# Altium PCB CDH_PCB_3DBodies.PcbDoc
Units mil, origin at the board's own origin, x right, y up, seen from the top; angles counter-clockwise.
Board outline 4735 x 5995 mil, 4 copper layers (Component Side, Ground Plane, Power Plane, Solder Side), stack 60.8 mil thick; 111 components, 92 nets, 557 pads, 2 vias.
Unrouted connection lines stored in the file: 294.
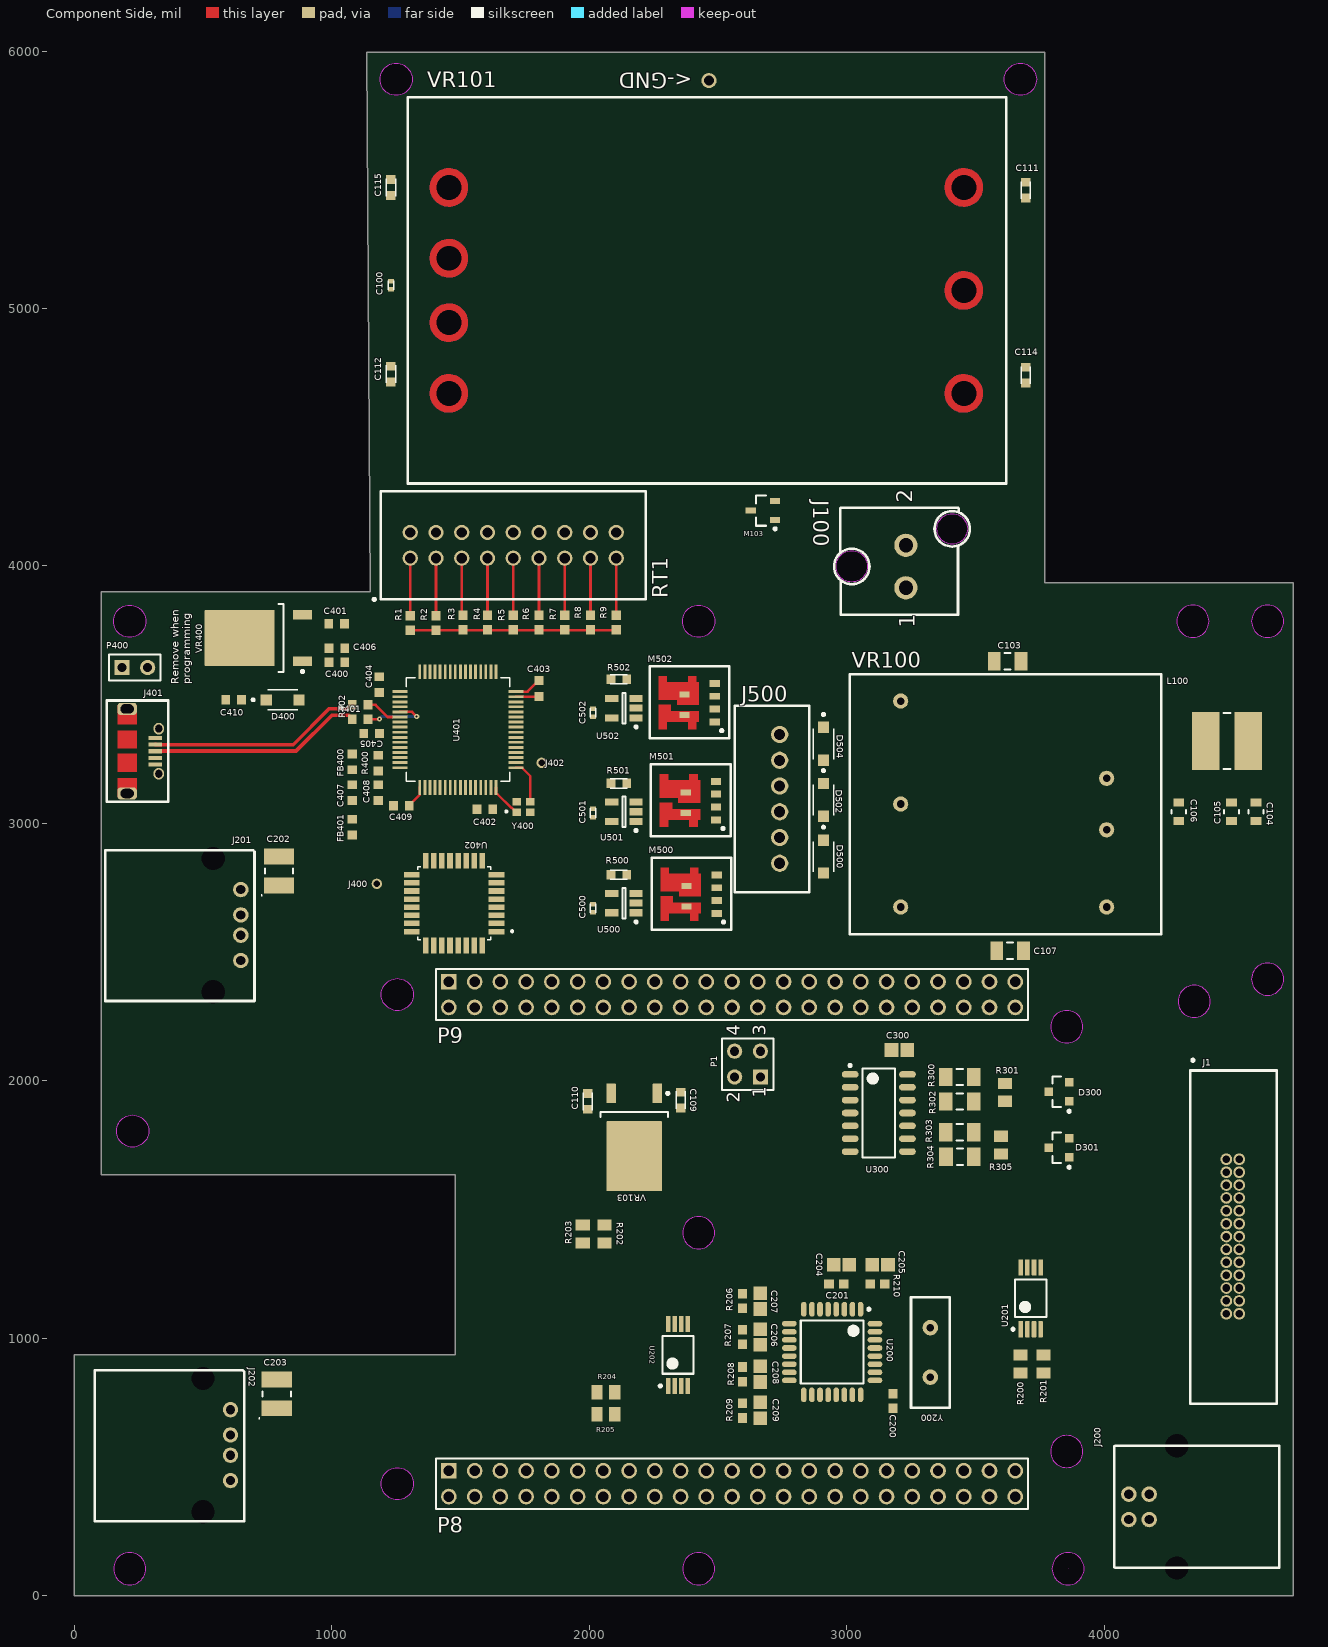
[diagram p0: Component Side view]
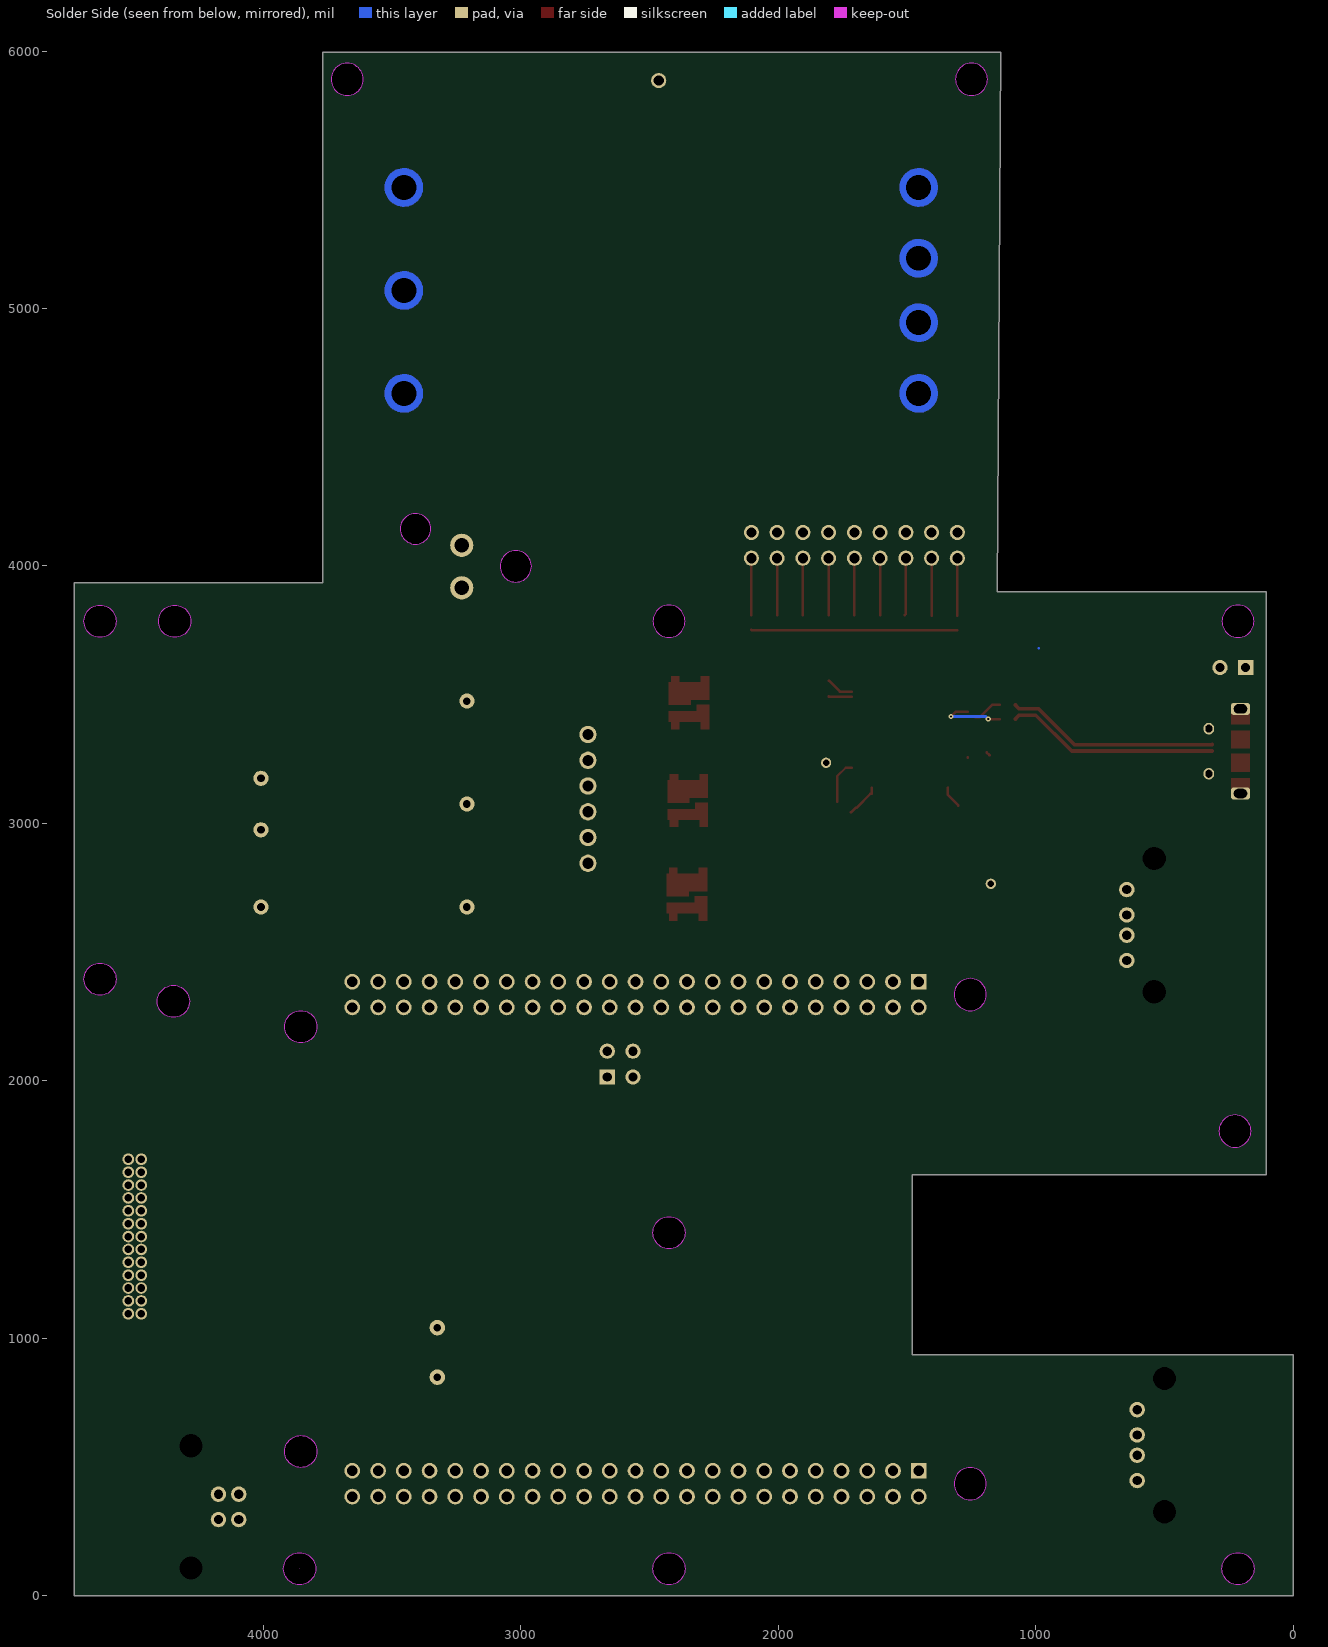
[diagram p1: Solder Side view, seen from below]
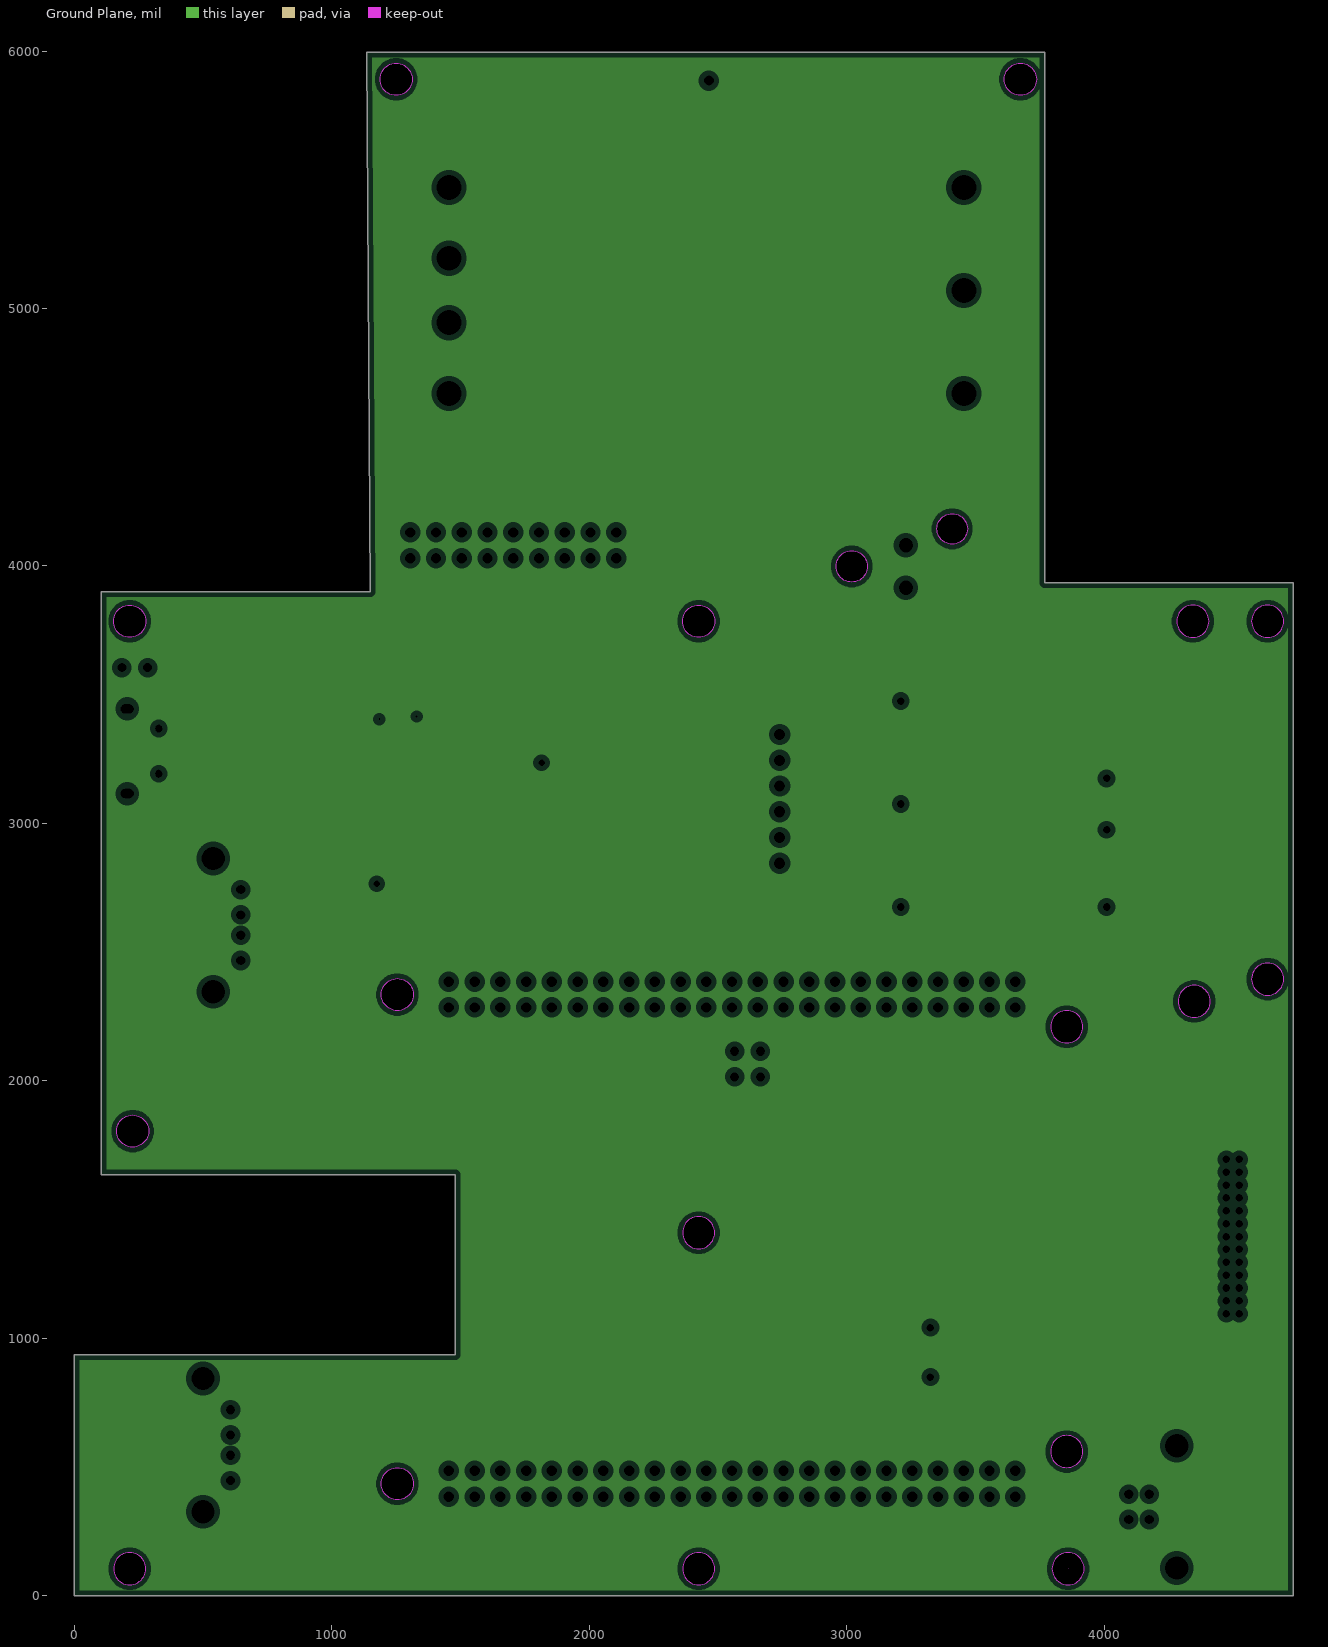
[diagram p2: Ground Plane, clearances drawn from the general rule]
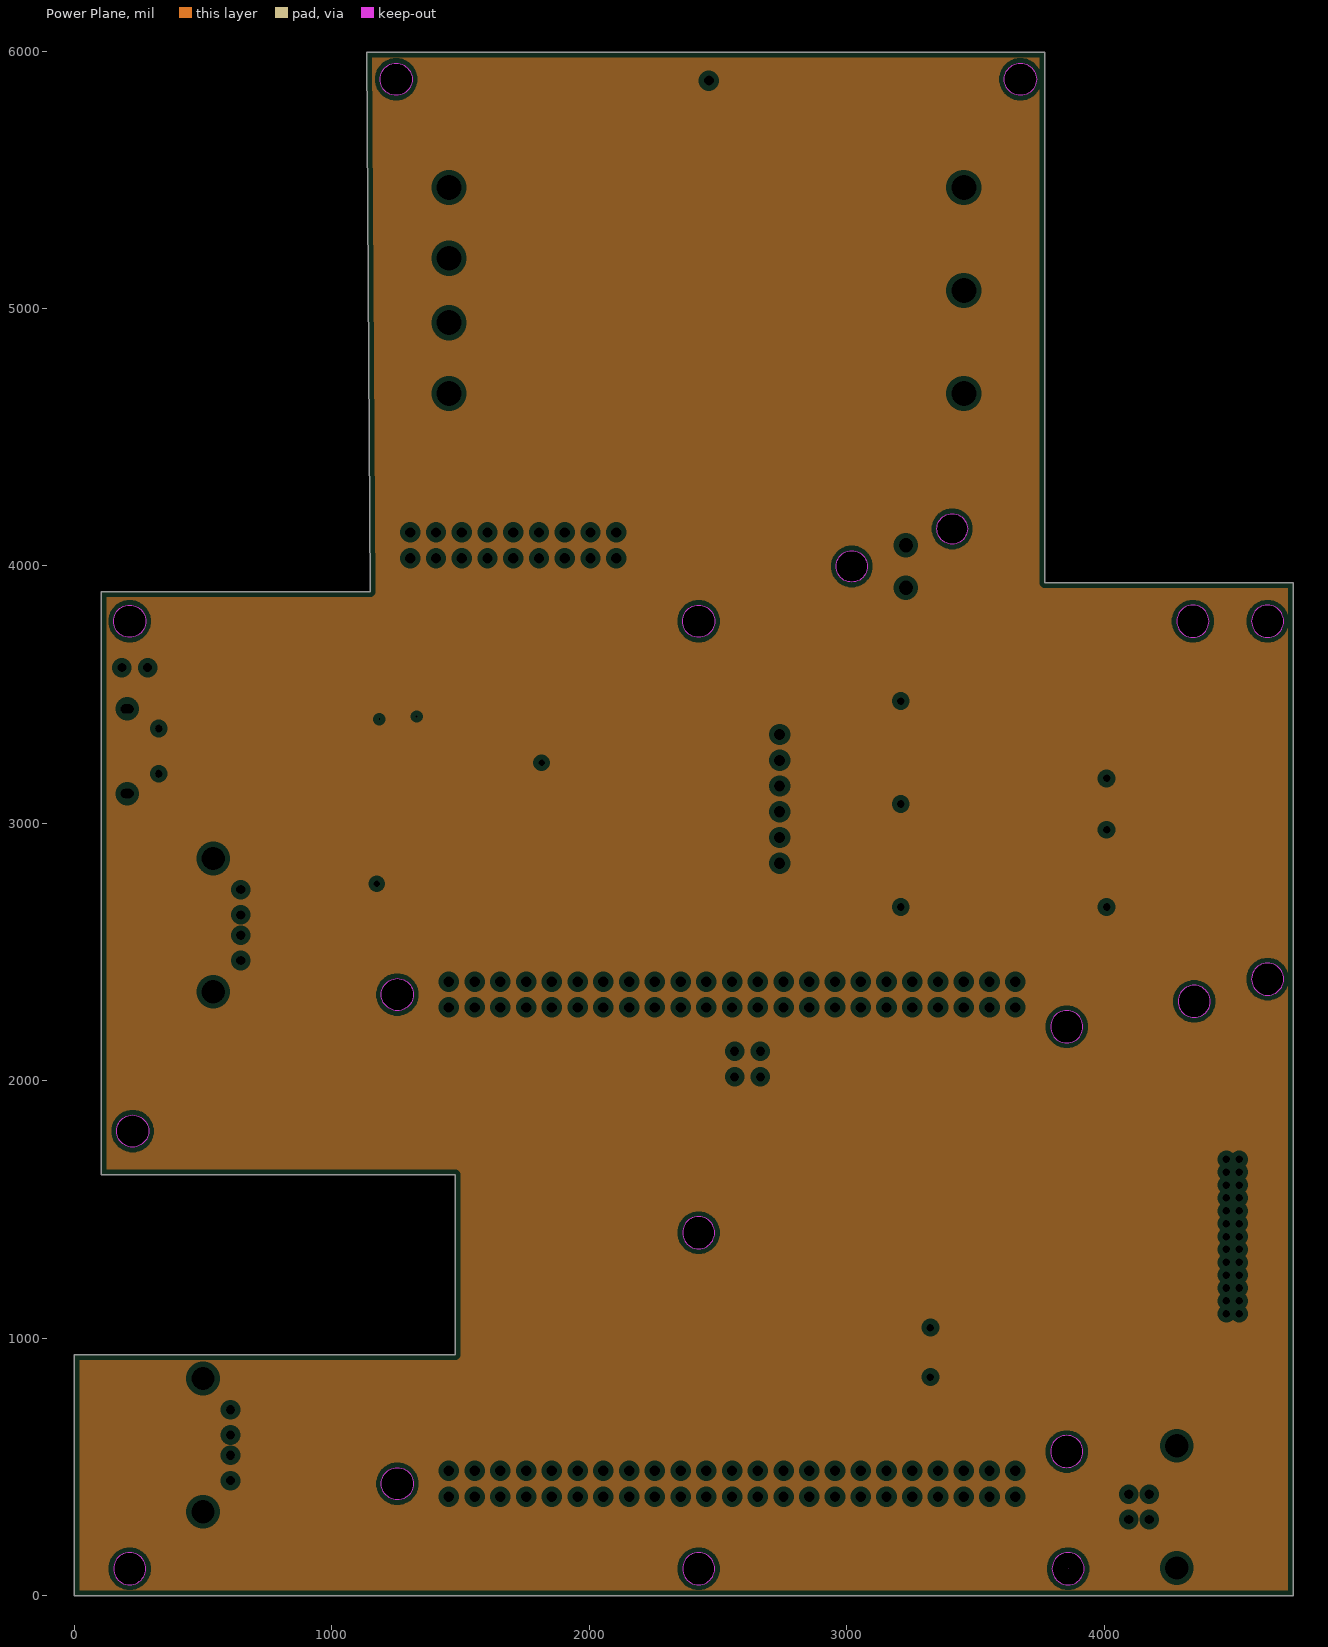
[diagram p3: Power Plane, clearances drawn from the general rule]

## Layer stack, top to bottom
Top Solder: solder mask 0.4, Solder Resist, Dk 3.5
Component Side: signal copper 1.4
Dielectric 1: core 7.6, FR-4, Dk 4.8
Ground Plane: plane copper 1.4
Dielectric 3: prepreg 40, Dk 4.2
Power Plane: plane copper 1.4
Dielectric 4: core 7.6, FR-4, Dk 4.8
Solder Side: signal copper 1.4
Bottom Solder: solder mask 0.4, Solder Resist, Dk 3.5

## Board outline
0,0 0,935 1480,935 1480,1635 105,1635 105,3900 1149.16,3900 1135.55,5995 3770,5995 3770,3935 4735,3935 4735,0
cut-out: 3350.49,4144 cw(c3410,4144) 3410,4203.51 cw(c3410,4144) 3469.51,4144 cw(c3410,4144) 3410,4084.49 cw(c3410,4144)
cut-out: 2959.1,3998 cw(c3020,3998) 3020,4058.9 cw(c3020,3998) 3080.9,3998 cw(c3020,3998) 3020,3937.1 cw(c3020,3998)
cut-out: 3675,5827.5 cw(c3675,5890) 3612.5,5890 cw(c3675,5890) 3675,5952.5 cw(c3675,5890) 3737.5,5890 cw(c3675,5890)
cut-out: 1250,5827.5 cw(c1250,5890) 1187.5,5890 cw(c1250,5890) 1250,5952.5 cw(c1250,5890) 1312.5,5890 cw(c1250,5890)
cut-out: 1255,2272.5 cw(c1255,2335) 1192.5,2335 cw(c1255,2335) 1255,2397.5 cw(c1255,2335) 1317.5,2335 cw(c1255,2335)
cut-out: 4287.5,2308.5 ccw(c4350,2308.5) 4350,2246 ccw(c4350,2308.5) 4412.5,2308.5 ccw(c4350,2308.5) 4350,2371 ccw(c4350,2308.5)
cut-out: 4282.5,3785 ccw(c4345,3785) 4345,3722.5 ccw(c4345,3785) 4407.5,3785 ccw(c4345,3785) 4345,3847.5 ccw(c4345,3785)
cut-out: 3792.5,560 ccw(c3855,560) 3855,497.5 ccw(c3855,560) 3917.5,560 ccw(c3855,560) 3855,622.5 ccw(c3855,560)
cut-out: 3792.5,2210 ccw(c3855,2210) 3855,2147.5 ccw(c3855,2210) 3917.5,2210 ccw(c3855,2210) 3855,2272.5 ccw(c3855,2210)
cut-out: 1192.5,435 cw(c1255,435) 1255,497.5 cw(c1255,435) 1317.5,435 cw(c1255,435) 1255,372.5 cw(c1255,435)
cut-out: 215,3722.5 cw(c215,3785) 152.5,3785 cw(c215,3785) 215,3847.5 cw(c215,3785) 277.5,3785 cw(c215,3785)
cut-out: 226.45,1742.34 cw(c226.45,1804.84) 163.95,1804.84 cw(c226.45,1804.84) 226.45,1867.34 cw(c226.45,1804.84) 288.95,1804.84 cw(c226.45,1804.84)
cut-out: 2362.5,1410 ccw(c2425,1410) 2425,1347.5 ccw(c2425,1410) 2487.5,1410 ccw(c2425,1410) 2425,1472.5 ccw(c2425,1410)
cut-out: 3797.5,105 ccw(c3860,105) 3860,42.5 ccw(c3860,105) 3922.5,105 ccw(c3860,105) 3860,167.5 ccw(c3860,105)
cut-out: 2362.5,105 ccw(c2425,105) 2425,42.5 ccw(c2425,105) 2487.5,105 ccw(c2425,105) 2425,167.5 ccw(c2425,105)
cut-out: 215,3722.5 cw(c215,3785) 152.5,3785 cw(c215,3785) 215,3847.5 cw(c215,3785) 277.5,3785 cw(c215,3785)
cut-out: 2425,3722.5 cw(c2425,3785) 2362.5,3785 cw(c2425,3785) 2425,3847.5 cw(c2425,3785) 2487.5,3785 cw(c2425,3785)
cut-out: 4572.5,3785 ccw(c4635,3785) 4635,3722.5 ccw(c4635,3785) 4697.5,3785 ccw(c4635,3785) 4635,3847.5 ccw(c4635,3785)
cut-out: 4572.5,2395 ccw(c4635,2395) 4635,2332.5 ccw(c4635,2395) 4697.5,2395 ccw(c4635,2395) 4635,2457.5 ccw(c4635,2395)
cut-out: 152.5,105 ccw(c215,105) 215,42.5 ccw(c215,105) 277.5,105 ccw(c215,105) 215,167.5 ccw(c215,105)
cut-out: 4635,2457.5
cut-out: 3860,105

## Design rules (kind name [scope] priority, off if disabled: settings)
Clearance [All] p1: gap=10 ignorepadtopadclearanceinfootprint=FALSE except(0: Arc-Hole Track-Hole SMDPad-Hole THPad-Hole Via-Hole Fill-Hole Poly-Hole Region-Hole Text-Hole; 3: THPad-THPad; 5: Arc-SMDPad Track-SMDPad SMDPad-THPad THPad-Fill THPad-Poly THPad-Region; 7: SMDPad-SMDPad)
DiffPairsRouting [All] p1: maxlimit=10 minlimit=10 mostfreqgap=10 toplayer_minwidth=15 toplayer_maxwidth=15 toplayer_prefwidth=15 bottomlayer_minwidth=15 bottomlayer_maxwidth=15 bottomlayer_prefwidth=15 maxuncoupledlength=500
Height [All] p1: minheight=0 maxheight=1500 prefheight=500
MatchedLengths MatchedLengths_USB_DiffPairs [All] p1: tolerance=5 checknetsindiffpair=TRUE checkdiffpairvsdiffpair=FALSE checkxsignals=FALSE checkothers=FALSE
MaxMinImpedance "Schematic Impedance Constraint_11" [InNet('RS422-Rx_P')] p1: minimum=90.00 maximum=110.0
MaxMinImpedance "Schematic Impedance Constraint_10" [InNet('RS422-Rx_N')] p2: minimum=90.00 maximum=110.0
MaxMinImpedance "Schematic Impedance Constraint_9" [InNet('RS422-Tx_P')] p3: minimum=90.00 maximum=110.0
MaxMinImpedance "Schematic Impedance Constraint_8" [InNet('RS422-Tx_N')] p4: minimum=90.00 maximum=110.0
MaxMinImpedance "Schematic Impedance Constraint_7" [InNet('USB_1_P')] p5: minimum=40.50 maximum=49.50
MaxMinImpedance "Schematic Impedance Constraint_6" [InNet('USB_1_N')] p6: minimum=40.50 maximum=49.50
MaxMinImpedance "Schematic Impedance Constraint_5" [InNet('USB_2_P')] p7: minimum=40.50 maximum=49.50
MaxMinImpedance "Schematic Impedance Constraint_4" [InNet('USB_0_N')] p8: minimum=40.50 maximum=49.50
MaxMinImpedance "Schematic Impedance Constraint_3" [InNet('TEENSY_USB_P')] p9: minimum=40.50 maximum=49.50
MaxMinImpedance "Schematic Impedance Constraint_2" [InNet('TEENSY_USB_N')] p10: minimum=40.50 maximum=49.50
MaxMinImpedance "Schematic Impedance Constraint_1" [InNet('USB_2_N')] p11: minimum=40.50 maximum=49.50
MaxMinImpedance "Schematic Impedance Constraint" [InNet('USB_0_P')] p12: minimum=40.50 maximum=49.50
PlaneClearance [All] p1: clearance=20
PlaneConnect [All] p1: planeconnectstyle=Relief reliefexpansion=20 reliefentries=4 reliefconductorwidth=10 reliefairgap=10
PolygonConnect [All] p1: connectstyle=Relief reliefconductorwidth=10 reliefentries=4 polygonreliefangle="90 Angle" airgapwidth=10
RoutingVias [All] p1: holewidth=8 width=20 viastyle="Through Hole" minholewidth=8 minwidth=20 maxholewidth=8 maxwidth=20
SolderMaskExpansion [All] p1: expansion=4 istentingtop=FALSE
Width [All] p1: maxlimit=10 minlimit=10 preferedwidth=10
26 further rules are at their usual default settings.

## Classes and differential pairs
net class 500_HEATERS_Nets: +5 +28 GND NetD500_2 NetD502_2 NetD504_2 NetM500_3 NetM500_4 NetM501_3 NetM501_4 NetM502_3 NetM502_4 NetR500_1 NetR501_1 NetR502_1 NetU401_46 NetU401_61 NetU401_64 NetU500_1 NetU501_1 NetU502_1
component class 500_HEATERS: C500 C501 C502 D500 D502 D504 J500 M500 M501 M502 R500 R501 R502 U500 U501 U502
net class 400_TEENSY_Nets: +5 GND NetC400_1 NetC407_1 NetC407_2 NetC408_1 NetC409_2 NetC410_1 NetJ1_20 NetJ1_21 NetJ1_22 NetJ1_23 NetJ1_24 NetJ400_1 NetJ401_4 NetJ402_1 NetP9_21 NetP9_22 NetR1_1 NetR2_1 NetR3_1 NetR4_1 NetR5_2 NetR6_1 NetR7_1 NetR8_1 NetR9_1 NetR401_1 NetR402_1 NetU401_22 NetU401_24 NetU401_25 NetU401_32 NetU401_33 NetU401_46 NetU401_61 NetU401_64 TEENSY_USB_N TEENSY_USB_P TN_3V3
net class 300_CDH_RS422_Nets: 3V3 GND NetP1_2 NetP1_4 NetR300_1 NetR302_1 NetR303_1 NetR304_1 RS422-Rx_N RS422-Rx_P RS422-Tx_N RS422-Tx_P
net class 200_CDH_USB_2_Hub_Nets: 3V3 +5 GND NetC204_1 NetC205_1 NetC206_1 NetC207_1 NetC208_2 NetC209_2 NetP9_12 NetU200_29 NetU200_30 USB_0_N USB_0_P USB_1_N USB_1_P USB_2_N USB_2_P
net class 100_POWER_Nets: 3V3 +5 +28 +48 GND GND_BASEPLATE NetC103_1 NetC111_1 NetM103_1 NetM103_3
net class 000_BBB_Pinouts_Nets: +5 +28 GND NetC407_1 NetC407_2 NetJ1_1 NetJ1_4 NetJ1_13 NetJ1_14 NetJ1_15 NetJ1_16 NetJ1_17 NetJ1_20 NetJ1_21 NetJ1_22 NetJ1_23 NetJ1_24 NetM103_1 NetP1_1 NetP1_2 NetP1_3 NetP1_4 NetP9_10 NetP9_12 NetP9_21 NetP9_22 NetR1_1 NetR2_1 NetR3_1 NetR4_1 NetR5_2 NetR6_1 NetR7_1 NetR8_1 NetR9_1 RS422-Rx_N RS422-Rx_P RS422-Tx_N RS422-Tx_P
component class 400_TEENSY: C400 C401 C402 C403 C404 C405 C406 C407 C408 C409 C410 D400 FB400 FB401 J400 J401 J402 P400 R400 R401 R402 U401 U402 VR400 Y400
component class 100_POWER: C100 C103 C104 C105 C106 C107 C109 C110 C111 C112 C114 C115 J100 L100 M103 VR100 VR101 VR103
component class 300_CDH_RS422: * C300 D300 D301 R300 R301 R302 R303 R304 R305 U300
component class 200_CDH_USB_2_Hub: C200 C201 C202 C203 C204 C205 C206 C207 C208 C209 J200 J201 J202 R200 R201 R202 R203 R204 R205 R206 R207 R208 R209 R210 U200 U201 U202 Y200
component class 000_BBB_Pinouts: J1 P1 P8 P9 R1 R2 R3 R4 R5 R6 R7 R8 R9 RT1
differential pair USB_0: +USB_0_P -USB_0_N
differential pair USB_2: +USB_2_P -USB_2_N
differential pair USB_1: +USB_1_P -USB_1_N
differential pair TEENSY_USB: +TEENSY_USB_P -TEENSY_USB_N
differential pair RS422-Tx: +RS422-Tx_P -RS422-Tx_N
differential pair RS422-Rx: +RS422-Rx_P -RS422-Rx_N

## Components (designator, comment, footprint, x,y, rotation, side; value= is the part's Value field where it differs from the comment)
C100 "0805B204K500CT" *INDC0805X55N 1230,5090 r270 top value=0.2uF
C103 "1206GC102KAZ1A" CAPC3317X180X60LL30T20 3625,3630 r180 top
C104 "C2012X5R1H475K125AB" FP-C2012-125-MFG 4590,3045 r270 top value=4.7uF
C105 "C2012X5R1H475K125AB" FP-C2012-125-MFG 4495,3045 r270 top value=4.7uF
C106 "C2012X5R1H475K125AB" FP-C2012-125-MFG 4290,3045 r270 top value=4.7uF
C107 "1206GC102KAZ1A" CAPC3317X180X60LL30T20 3635,2505 r0 top
C109 "TMK107BLD105KA-T" *RESC1608X55N 2355,1925 r90 top value=1uF
C110 "TMK107BLD105KA-T" *RESC1608X55N 1995,1920 r90 top value=1uF
C111 "C0603C472K1HACAUTO" *RESC1608X55N 3695,5459.29 r270 top value=4.7nF
C112 "C0603C472K1HACAUTO" *RESC1608X55N 1230,4745 r90 top value=4.7nF
C114 "C0603C472K1HACAUTO" *RESC1608X55N 3695,4740.71 r270 top value=4.7nF
C115 "" *RESC1608X55N 1230,5470 r270 top value=4.7nF
C200 "C0603C101K8HAUTO" R_Imperial0603 3180,756.46 r90 top value=100pF
C201 "C0603C101K8HAUTO" R_Imperial0603 2960,1210 r180 top value=100pF
C202 "F910J107MBAAJ6" POLAR_CAP_SMD_EIA2010 795,2815 r90 top value=100uF
C203 "F910J107MBAAJ6" POLAR_CAP_SMD_EIA2010 786.46,783.9 r90 top value=100uF
C204 "C0805X220K3GACAUTO" Cap_EIA0805 2980,1285 r180 top value=22pF
C205 "C0805X220K3GACAUTO" Cap_EIA0805 3130,1285 r0 top value=22pF
C206 "C0805X220K3GACAUTO" Cap_EIA0805 2665,1005 r270 top value=22pF
C207 "C0805X220K3GACAUTO" Cap_EIA0805 2665,1144.49 r90 top value=22pF
C208 "C0805X220K3GACAUTO" Cap_EIA0805 2665,860.31 r270 top value=22pF
C209 "C0805X220K3GACAUTO" Cap_EIA0805 2665,720.31 r90 top value=22pF
C300 "GCM219R71C204JA37J" Cap_EIA0805 3204.49,2120 r180 top value=0.2uF
C400 "smtcap_np" *RESC1608X55N 1020,3625 r180 top value=2.2uF
C401 "smtcap_np" *RESC1608X55N 1019.29,3775 r0 top value=2.2uF
C402 "smtcap_np" *RESC1608X55N 1595,3054 r0 top value=2.2uF
C403 "smtcap_np" *RESC1608X55N 1805,3524 r270 top value=0.1uF
C404 "smtcap_np" *RESC1608X55N 1185,3539 r270 top value=0.1uF
C405 "smtcap_np" *RESC1608X55N 1155,3349 r180 top value=0.1uF
C406 "smtcap_np" *RESC1608X55N 1020,3680 r180 top value=2.2uF
C407 "smtcap_np" *RESC1608X55N 1080,3119 r270 top value=2.2uF
C408 "smtcap_np" *RESC1608X55N 1180,3119 r90 top value=0.1uF
C409 "smtcap_np" *RESC1608X55N 1270,3069 r0 top value=0.1uF
C410 "smtcap_np" *RESC1608X55N 619.29,3480 r180 top value=0.1uF
C500 "C2012X8L1A106K125AE" *INDC0805X55N 2015,2670 r270 top value=10uF
C501 "C2012X8L1A106K125AE" *INDC0805X55N 2015,3040 r270 top value=10uF
C502 "C2012X8L1A106K125AE" *INDC0805X55N 2015,3430 r270 top value=10uF
D300 "CDSOT23-SM712" BOUR-SOT23-3_V 3825,1957.4 r180 top
D301 "CDSOT23-SM712" BOUR-SOT23-3_V 3825,1740 r180 top
D400 "Schottky Diode" *SODFL3718X108N 809.76,3480 r0 top
D500 "Schottky Diode" *SODFL3718X108N 2910,2870.24 r270 top
D502 "Schottky Diode" *SODFL3718X108N 2910,3090 r270 top
D504 "Schottky Diode" *SODFL3718X108N 2910,3307.99 r270 top
FB400 "FERRITE" *RESC1608X55N 1080,3239 r270 top
FB401 "FERRITE" *RESC1608X55N 1080,2985 r90 top
J1 "M50-3551342" M50-3551342 4370,2005 r270 top
J100 "LaserHeader" "MOLEX 2X1 LATCH HEADER" 3230,3915 r90 top
J200 "USB_B_FEMALE" USB_B_FEMALE_RT 4175,345 r90 top
J201 "USB_A_FEMALE" USB_A_FEMALE_SINGLE 540,2605 r270 top
J202 "USB_A_FEMALE" USB_A_FEMALE_SINGLE 500,585 r270 top
J400 "Prog. Pad" PAD_40x25 1175,2765 r0 top value=DNI
J401 "uUSB Padsonly" uUSB_Padsonly 101.57,3480.28 r270 top value=DNI
J402 "Reset Pad" PAD_40x25 1815,3235 r90 top value=DNI
J500 "HeaterConnector" "MOLEX 6x1 latch header" 2840.39,2746.57 r90 top
L100 "TCK-059" INDC6055X50N 4477.48,3320 r180 top value="2.2 uH"
M103 "BSS138LT7G" SOT95P245X110-3N 2675,4215 r180 top
M500 "NPN MOSFET" "PowerPAK SO-8L DUAL ASYMMETRIC" 2552.28,2586.61 r90 top
M501 "NPN MOSFET" "PowerPAK SO-8L DUAL ASYMMETRIC" 2549.61,2949.92 r90 top
M502 "NPN MOSFET" "PowerPAK SO-8L DUAL ASYMMETRIC" 2544.61,3330.24 r90 top
P1 "Header 2X2" HDR2X2 2665,2015 r90 top
P8 "MALE HEADER 2x23" MAJOR-TSHC-123-D-03_V 2555,435 r0 top
P9 "MALE HEADER 2x23" MAJOR-TSHC-123-D-03_V 2555,2335 r0 top